# Altium PCB Rear Power Distribution.PcbDoc (part 1 of 3) (continued)
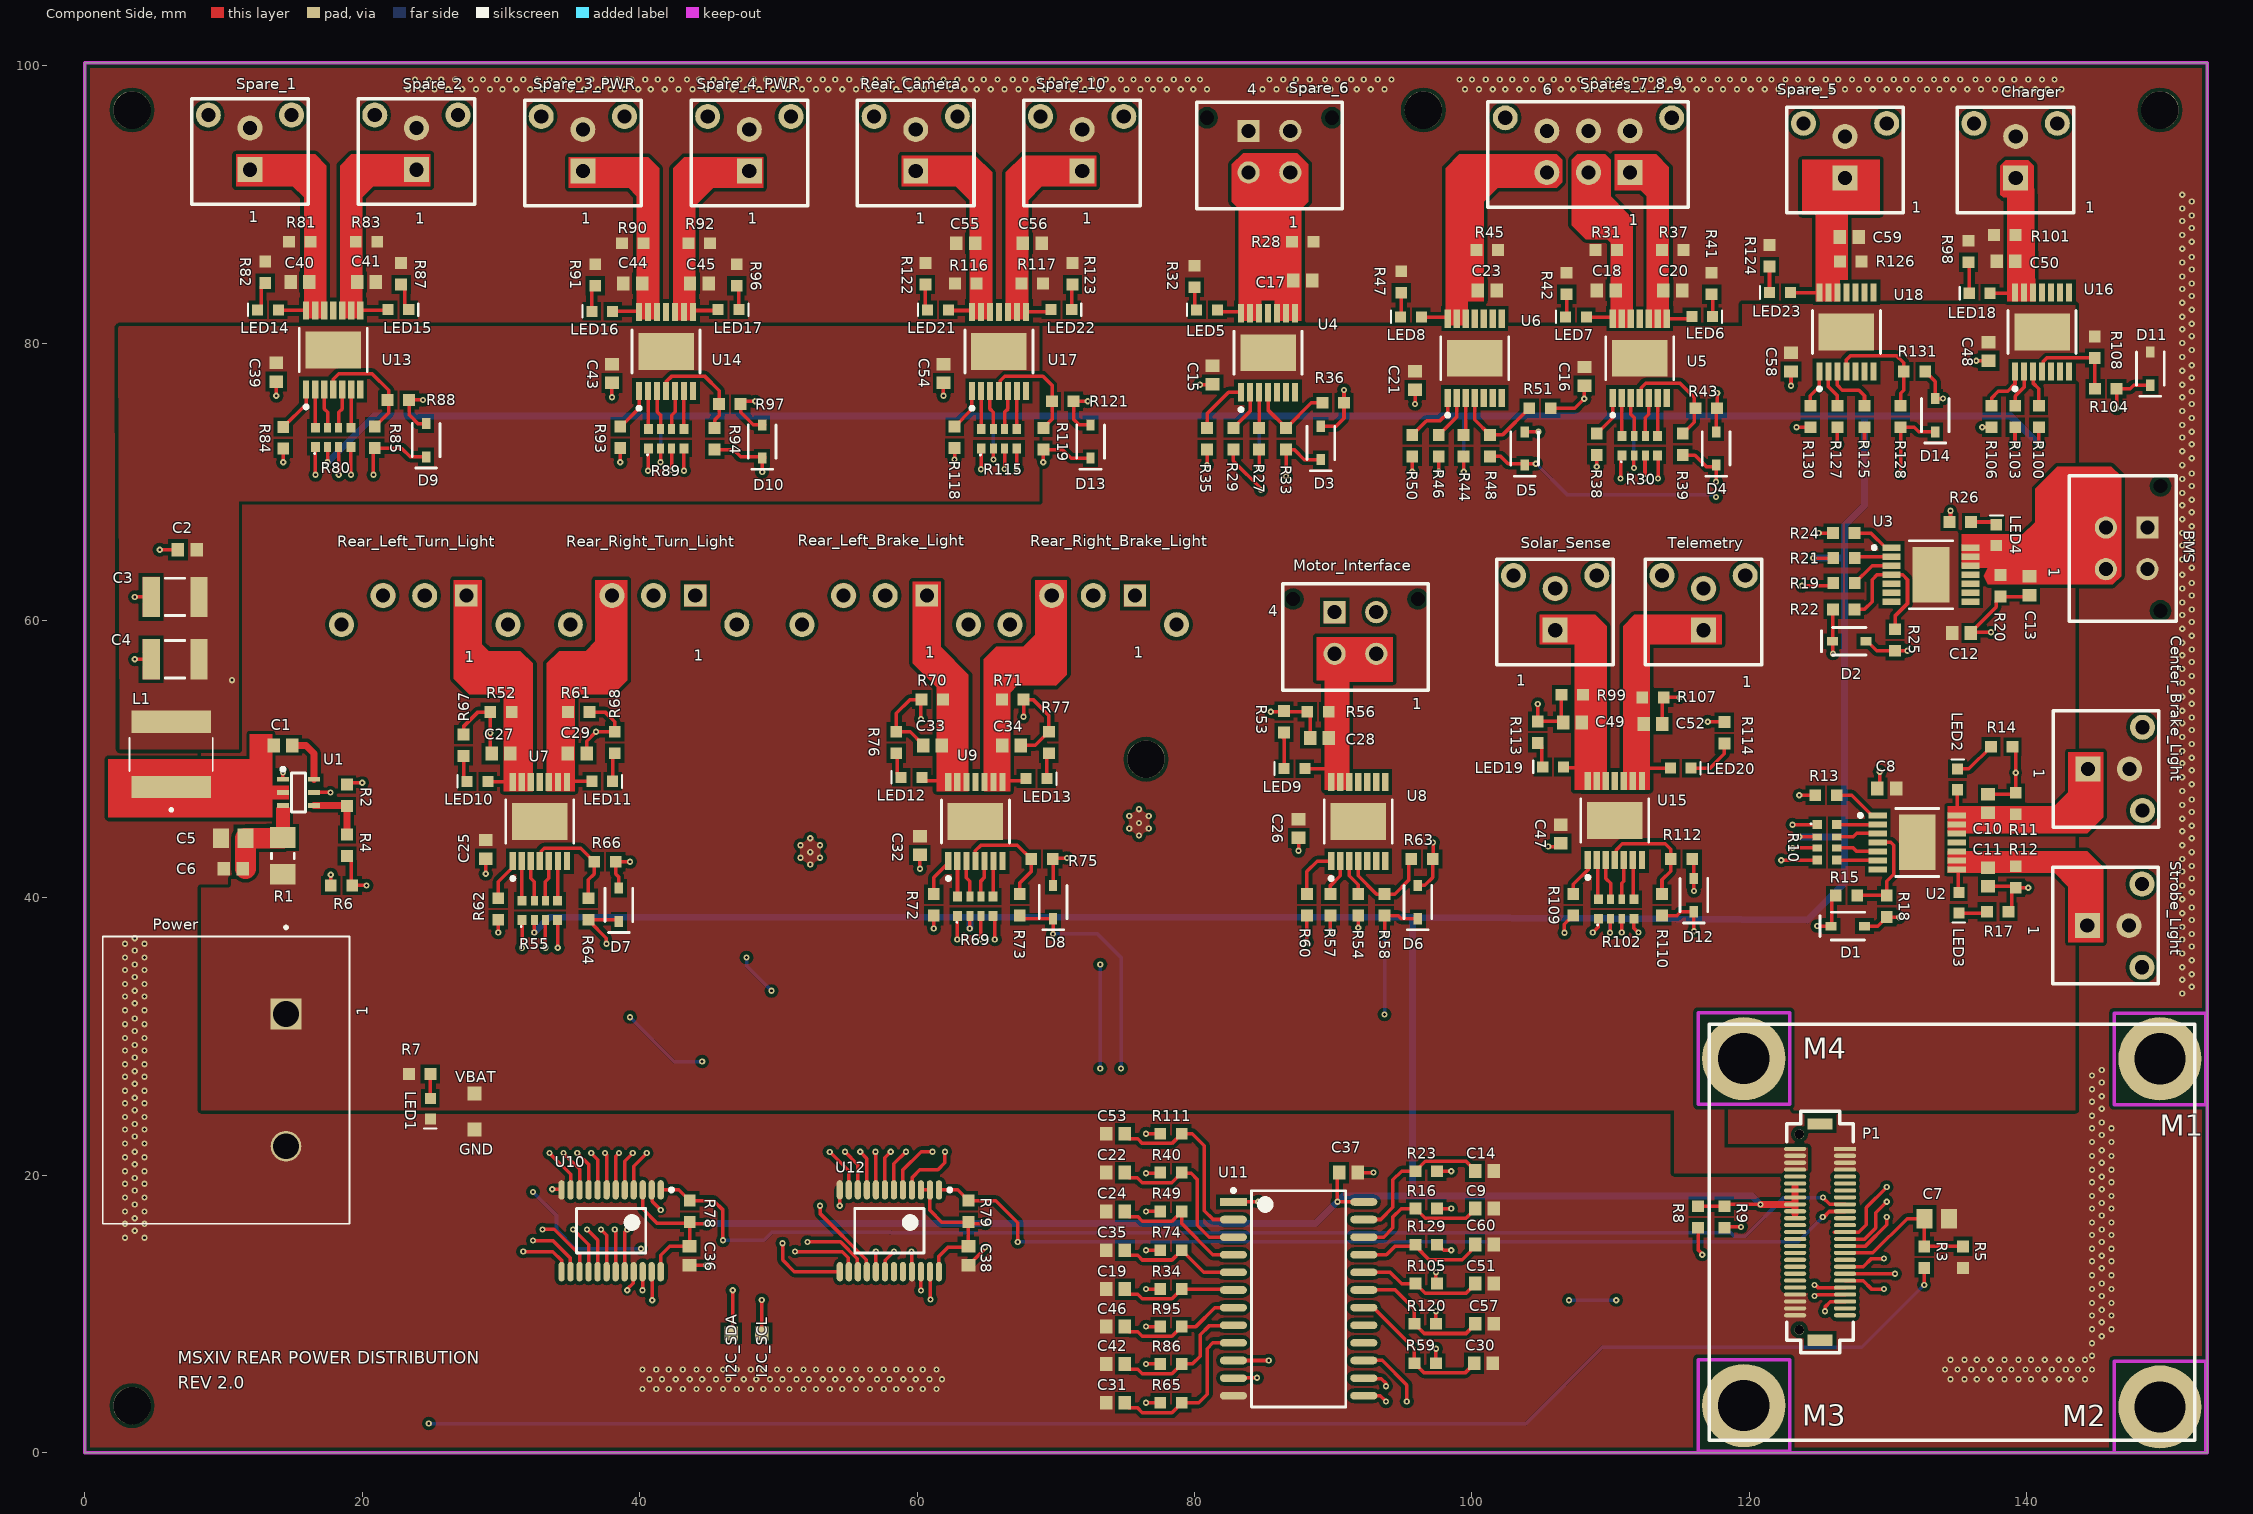
[diagram p0: Component Side view]
## Components (designator, comment, footprint, x,y, rotation, side; value= is the part's Value field where it differs from the comment) (continued)
Rear_Right_Turn_Light "CONN 3POS MICROFIT" "CONN, 3 POS MICROFIT" 41,61.8 r270 top
Solar_Sense "CONN 2POS MICRO-FIT 3mm" "CONN, 2POS MICRO-FIT" 106,59.3 r0 top
Spare_1 "CONN 2POS MICRO-FIT 3mm" "CONN, 2POS MICRO-FIT" 11.9,92.5 r0 top
Spare_2 "CONN 2POS MICRO-FIT 3mm" "CONN, 2POS MICRO-FIT" 23.9,92.5 r0 top
Spare_3_PWR "CONN 2POS MICRO-FIT 3mm" "CONN, 2POS MICRO-FIT" 35.9,92.4 r0 top
Spare_4_PWR "CONN 2POS MICRO-FIT 3mm" "CONN, 2POS MICRO-FIT" 47.9,92.4 r0 top
Spare_5 "CONN 2POS MICRO-FIT 3mm" "CONN, 2POS MICRO-FIT" 126.9,91.9 r0 top
Spare_6 "CONN 4POS MICRO-FIT 3mm" "CONN 4POS MICROFIT (2x2)" 86.9,92.3 r0 top
Spare_10 "CONN 2POS MICRO-FIT 3mm" "CONN, 2POS MICRO-FIT" 71.9,92.4 r0 top
Spares_7_8_9 "CONN 6POS MICRO-FIT 3mm" "CONN, 6POS MICRO-FIT 3MM" 111.4,92.3 r0 top
Strobe_Light "CONN 2POS MICRO-FIT 3mm" "CONN, 2POS MICRO-FIT" 144.36,38 r270 top
Telemetry "CONN 2POS MICRO-FIT 3mm" "CONN, 2POS MICRO-FIT" 116.7,59.3 r0 top
U1 "IC REG BUCK 4.5V TO 17V, 5A, SYNCHRONOUS STE" "IC REG BUCK 4.5V TO 17V, 5A" 15.4,47.6 r0 top
U2 "IC LOAD SWITCH BTS7200-2EPA PG-TSDSO-14_1" "IC LOAD SWITCH PG-TSDSO-14-22" 132.1,44 r0 top
U3 "IC LOAD SWITCH BTS70401EPA PG-TSDSO-14-22" "IC LOAD SWITCH PG-TSDSO-14-22" 133.1,63.3 r0 top
U4 "IC LOAD SWITCH BTS70081EPPXUMA1" "IC LOAD SWITCH PG-TSDSO-14-22" 85.3,79.3 r90 top
U5 "IC LOAD SWITCH BTS7200-2EPA PG-TSDSO-14_1" "IC LOAD SWITCH PG-TSDSO-14-22" 112.1,78.9 r90 top
U6 "IC LOAD SWITCH BTS70401EPA PG-TSDSO-14-22" "IC LOAD SWITCH PG-TSDSO-14-22" 100.2,78.9 r90 top
U7 "IC LOAD SWITCH BTS7200-2EPA PG-TSDSO-14_1" "IC LOAD SWITCH PG-TSDSO-14-22" 32.8,45.5 r90 top
U8 "IC LOAD SWITCH BTS70401EPA PG-TSDSO-14-22" "IC LOAD SWITCH PG-TSDSO-14-22" 91.8,45.5 r90 top
U9 "IC LOAD SWITCH BTS7200-2EPA PG-TSDSO-14_1" "IC LOAD SWITCH PG-TSDSO-14-22" 64.2,45.5 r90 top
U10 "16-BIT I2C-BUS AND SMBUS LOW POW" SOP127P600-8N 37.941,16 r270 top
U11 "IC MUX/DEMUX 1X16 24SSOP" SOP127P1030X265-24N 87.5,11.096 r0 top
U12 "16-BIT I2C-BUS AND SMBUS LOW POW" SOP127P600-8N 58,16 r270 top
U13 "IC LOAD SWITCH BTS7200-2EPA PG-TSDSO-14_1" "IC LOAD SWITCH PG-TSDSO-14-22" 17.9,79.5 r90 top
U14 "IC LOAD SWITCH BTS7200-2EPA PG-TSDSO-14_1" "IC LOAD SWITCH PG-TSDSO-14-22" 41.9,79.4 r90 top
U15 "IC LOAD SWITCH BTS7200-2EPA PG-TSDSO-14_1" "IC LOAD SWITCH PG-TSDSO-14-22" 110.3,45.579 r90 top
U16 "IC LOAD SWITCH BTS70401EPA PG-TSDSO-14-22" "IC LOAD SWITCH PG-TSDSO-14-22" 141.1,80.8 r90 top
U17 "IC LOAD SWITCH BTS7200-2EPA PG-TSDSO-14_1" "IC LOAD SWITCH PG-TSDSO-14-22" 65.9,79.4 r90 top
U18 "IC LOAD SWITCH BTS70401EPA PG-TSDSO-14-22" "IC LOAD SWITCH PG-TSDSO-14-22" 127,80.8 r90 top
VBAT "Test Point" "Test Point"#1 28.1,25.9 r90 top

## Footprints (in the part's own frame and the unit in brackets; to place one, negate y for a bottom-side part, rotate by r counter-clockwise, add the part's x,y. Pads: shape width x height; smd on the part's side, far side on the other; paste and mask are expansions set on the pad)
6PCV-02-006 [mm]
  rect 2.204x2.204 hole 1.854: 1(0,0)
  round 2.204 hole 1.854: 2(9.53,0)
  silkscreen extent -6.34,-13.21 15.12,4.57
"CAP, 0603" [mm] "Chip Capacitor, 2-Leads, Body 1.60x0.81mm, IPC Medium Density"
  rect 0.9x1 smd mask+0.076: 1(-0.675,0) 2(0.675,0)
  body extent -0.87,-0.48 0.87,0.48, height 0.9
"CAP, 0805" [mm] "Chip Capacitor, 2-Leads, Body 2.00x1.25mm, IPC Medium Density"
  rect 1.15x1.4 smd: 1(-0.875,0) 2(0.875,0)
  body extent -1,-0.63 1,0.63, height 1.25
"CAP, 1210" [mm] "Chip Capacitor, 2-Leads, Body 3.20x2.50mm, IPC Low Density"
  rect 1.25x2.9 smd: 1(-1.725,0) 2(1.725,0)
  silkscreen extent -0.7,-1.35 0.7,1.35, body extent -1.8,-1.4 1.8,1.4, height 2.8
"CONN 4POS MICROFIT (2x2)" [mm]
  round 1.6 hole 1.02: 1(0,0) 2(-3,0) 3(0,3)
  rect 1.6x1.6 hole 1.02: 4(-3,3)
  round 0 hole 1.02: ""(-6,3.94) ""(3,3.94)
  silkscreen extent -6.75,-2.63 3.75,5.06, body extent -6.57,-2.47 3.57,6.29, height 9.91
"CONN, 2POS MICRO-FIT" [mm]
  round 1.8 hole 1.02: 0(-3,3.94) 0(3,3.94) 2(0,3)
  rect 1.8x1.8 hole 1.02: 1(0,0)
  silkscreen extent -4.2,-2.5 4.2,5.1, body extent -3.57,-2.47 3.58,6.3, height 9.95
"CONN, 3 POS MICROFIT" [mm]
  rect 1.6x1.6 hole 1.02: 1(0,3)
  round 1.8 hole 1.02: 2(0,0) 3(0,-3) ""(2.1,6) ""(2.1,-6)
  body extent -3.14,-6.32 2.47,6.33, height 9.95
"CONN, 6POS MICRO-FIT 3MM" [mm]
  round 1.8 hole 1.02: 0(-9,3.94) 0(3,3.94) 2(-3,0) 3(-6,0) 4(0,3) 5(-3,3) 6(-6,3)
  rect 1.8x1.8 hole 1.02: 1(0,0)
  silkscreen extent -10.25,-2.5 4.2,5.1, body extent -9.57,-2.47 3.58,6.3, height 10.15
"CONN, Bergstak 50 Pos Plug" [mm] "Bergstak 50 Position Plug"
  rect 1.6x0.3 smd: 1(1.8,6)
  oval 1.6x0.3 smd: 2(1.8,5.5) 3(1.8,5) 4(1.8,4.5) 5(1.8,4) 6(1.8,3.5) 7(1.8,3) 8(1.8,2.5) 9(1.8,2) 10(1.8,1.5) 11(1.8,1) 12(1.8,0.5) 13(1.8,0) 14(1.8,-0.5) 15(1.8,-1) 16(1.8,-1.5) 17(1.8,-2) 18(1.8,-2.5) 19(1.8,-3) 20(1.8,-3.5) 21(1.8,-4) 22(1.8,-4.5) 23(1.8,-5) 24(1.8,-5.5) 25(1.8,-6) 26(-1.8,-6) 27(-1.8,-5.5) 28(-1.8,-5) 29(-1.8,-4.5) 30(-1.8,-4) 31(-1.8,-3.5) 32(-1.8,-3) 33(-1.8,-2.5) 34(-1.8,-2) 35(-1.8,-1.5) 36(-1.8,-1) 37(-1.8,-0.5) 38(-1.8,0) 39(-1.8,0.5) 40(-1.8,1) 41(-1.8,1.5) 42(-1.8,2) 43(-1.8,2.5) 44(-1.8,3) 45(-1.8,3.5) 46(-1.8,4) 47(-1.8,4.5) 48(-1.8,5) 49(-1.8,5.5) 50(-1.8,6)
  round 0.7 hole 0.7: ""(-1.5,-7.05) ""(-1.5,7.05)
  rect 1.8x0.8 smd: ""(0,-7.8) ""(0,7.8)
  silkscreen extent -2.4,-8.7 2.4,8.7, body extent -2.3,-7.75 2.3,7.75, height 4.2
"IC LOAD SWITCH PG-TSDSO-14-22" [mm] "SOP,0.65mm pitch;14 pin,3.90mm W X 4.90mm L X 1.15mm H body (w/thermal tab)"
  rect 1.31x0.45 smd paste+0 mask+0: 1(-2.85,1.95) 2(-2.85,1.3) 3(-2.85,0.65) 4(-2.85,0) 5(-2.85,-0.65) 6(-2.85,-1.3) 7(-2.85,-1.95) 8(2.85,-1.95) 9(2.85,-1.3) 10(2.85,-0.65) 11(2.85,0) 12(2.85,0.65) 13(2.85,1.3) 14(2.85,1.95)
  rect 2.65x4 smd paste-2.65 mask+0: 15(0,0)
  silkscreen extent -4.22,-2.45 1.55,2.45, body extent -3,-2.45 3,2.45, height 1.16
"IC REG BUCK 4.5V TO 17V, 5A" [mm] "Buck Switching Regulator IC Positive Adjustable 0.6V 1 Output 5A SOT-23-6 Thin, TSOT-23-6"
  rect 0.85x0.35 smd: 1(-1.125,0.95) 2(-1.125,0) 3(-1.125,-0.95) 4(1.125,-0.95) 5(1.125,0) 6(1.125,0.95)
  silkscreen extent -1.25,-1.4 0.5,1.8, body extent -1.53,-1.38 1.53,1.38, height 1.1
IND_1264EY-3R3N=P3 [mm]
  rect 1.6x5.7 smd: 1(-2.35,0) 2(2.35,0)
  silkscreen extent -4.1,-3 1.2,3
LED_0603 [mm]
  rect 0.8x0.8 smd: 1(-0.05,0.01) 2(1.45,0.01)
  silkscreen extent 2.13,-0.46 2.13,0.45, body extent -0.09,-0.39 1.51,0.41, height 0.8
"M2.5 Standoff" [mm]
  round 6 smd: ""(0,0)
  round 0 hole 3.7: ""(0,0)
  Keep-Out Layer lines w0.254: -3.3,-3.3 -3.3,3.3 3.3,3.3 3.3,-3.3 -3.3,-3.3
"RES 1206" [mm] "Chip Resistor, 2-Leads, Body 3.20x1.60mm, IPC Medium Density"
  rect 1.5x1.85 smd: 1(-1.325,0) 2(1.325,0)
  silkscreen extent -0.2,-0.82 0.2,0.82, body extent -1.73,-0.92 1.73,0.92, height 0.64
"RES ARRAY 4RES 1206" [mm] "Chip Array, Flat, 8-Leads, Pitch 0.80mm,  Body 3.20x1.60mm,  IPC Medium Density"
  rect 0.7x0.64 smd: 1(-0.7,1.28) 4(-0.7,-1.28) 5(0.7,-1.28) 8(0.7,1.28)
  rect 0.7x0.5 smd: 2(-0.7,0.4) 3(-0.7,-0.4) 6(0.7,-0.4) 7(0.7,0.4)
  silkscreen extent -1.21,1.29 -1.11,1.39, body extent -0.81,-1.6 0.69,1.6, height 0.45
"RES, 0603" [mm] "Chip Resistor, 2-Leads, Body 1.60x0.80mm, IPC Medium Density"
  rect 0.85x0.85 smd: 1(-0.775,0) 2(0.775,0)
  body extent -0.8,-0.4 0.8,0.4, height 0.55
sod-323 [mm]
  rect 0.8x0.6 smd: 1(-1.2,0) 2(1.2,0)
  silkscreen extent -1.2,-1 2,1
SOP127P600-8N [mm]
  oval 1.4x0.45 smd: 1(-2.95,3.575) 2(-2.95,2.925) 3(-2.95,2.275) 4(-2.95,1.625) 5(-2.95,0.975) 6(-2.95,0.325) 7(-2.95,-0.325) 8(-2.95,-0.975) 9(-2.95,-1.625) 10(-2.95,-2.275) 11(-2.95,-2.925) 12(-2.95,-3.575) 13(2.95,-3.575) 14(2.95,-2.925) 15(2.95,-2.275) 16(2.95,-1.625) 17(2.95,-0.975) 18(2.95,-0.325) 19(2.95,0.325) 20(2.95,0.975) 21(2.95,1.625) 22(2.95,2.275) 23(2.95,2.925) 24(2.95,3.575)
  silkscreen extent -3.07,-2.5 1.6,4.47, body extent -3.2,-3.95 3.2,3.95, height 1.1
SOP127P1030X265-24N [mm] "SOP, 24-Leads, Body 15.40x7.50mm, Pitch 1.27mm, IPC Medium Density"
  rect 1.95x0.55 smd: 1(-4.7,6.985)
  oval 1.95x0.55 smd: 2(-4.7,5.715) 3(-4.7,4.445) 4(-4.7,3.175) 5(-4.7,1.905) 6(-4.7,0.635) 7(-4.7,-0.635) 8(-4.7,-1.905) 9(-4.7,-3.175) 10(-4.7,-4.445) 11(-4.7,-5.715) 12(-4.7,-6.985) 13(4.7,-6.985) 14(4.7,-5.715) 15(4.7,-4.445) 16(4.7,-3.175) 17(4.7,-1.905) 18(4.7,-0.635) 19(4.7,0.635) 20(4.7,1.905) 21(4.7,3.175) 22(4.7,4.445) 23(4.7,5.715) 24(4.7,6.985)
  silkscreen extent -4.82,-7.8 3.4,7.93, body extent -5.15,-7.8 5.15,7.8, height 2.65
"Test Point"#1 [mm]
  rect 1x1 smd paste-2: TP(0,0)
"Test Point"#2 [mm]
  rect 1x1 smd paste-2: TP(0,0.034)

## Part data
BMS Motor_Interface Spare_6: "Micro-Fit 3.0 Vertical Header, 3.00mm Pitch, Dual Row, 4 Circuits, with PCB Polarizing Peg, Tin, Glow-Wire Capable, Black", Color=Black, Contact Resistance=10mR, Current Rating=-, Manufacturer="Molex, LLC", Manufacturer Part Number=430450427, Material Flammability Rating="UL94 V-0", Max Operating Temperature=105°C, Min Operating Temperature=-40°C, Package Quantity=2232, Supplier Part Number 1=WM10667-ND, Applications="General Purpose, Medical, Military, Telecommunications", Category="Connectors, Interconnects", ComponentLink4Description=http://www.molex.com/webdocs/datasheets/pdf/en-us/0430450427_PCB_HEADERS.pdf, ComponentLink4URL=http://www.molex.com/webdocs/datasheets/pdf/en-us/0430450427_PCB_HEADERS.pdf, Connector Type=Header, Contact Finish - Mating=Tin, Contact Finish - Post=Tin, Contact Finish Thickness - Mating="60.0μin (1.52μm)", Contact Finish Thickness - Post=-, Contact Length - Mating=-, Contact Length - Post="0.125\" (3.18mm)", Contact Material=Brass, Contact Plating=Tin, Contact Shape=Square, Contact Type="Male Pin", Depth=8.77mm, Fastening Type="Locking Ramp", Features="Board Guide", Housing Color=Black, Housing Material=Polymer, Ingress Protection=-, Insulation Color=Black, Insulation Height="0.390\" (9.91mm)", Insulation Material="Liquid Crystal Polymer (LCP), Glass Filled", Length=10.15mm, Mated Stacking Heights=-, Mount="Through Hole", Mounting Type="Through Hole", Number of Contacts=4, Number of Ports=1, Number of Positions=6, Number of Positions Loaded=All, Number of Rows=2, Number of Terminals=4, Operating Temperature=-, Orientation=Straight, Overall Contact Length=-, Packaging=Tray, Part Status=Active, Pitch=3mm, Pitch - Mating="0.118\" (3.00mm)", RoHS="RoHS Compliant", Row Spacing=0.118inch, Row Spacing - Mating="0.118\" (3.00mm)", Shrouding="Shrouded - 4 Wall", Style="Board to Cable/Wire", Supplier 1=Digi-Key, Termination=Solder, Voltage Rating=-
C1 C2 C6 C8 C12 C15 C16 C21 C25 C26 C32 C36 C37 C38 C39 C43 C47 C48 C54 C58: "0.10μF ±10% 50V Ceramic Capacitor X7R 0603 (1608 Metric)", Capacitance=0.1μF, Manufacturer 1="AVX Corporation", Manufacturer Part Number 1=06035C104KAT2A, Operating Temperature="-55°C ~ 125°C", Package / Case="0603 (1608 Metric)", Ratings=-, Supplier Part Number 1=478-5052-1-ND, Temperature Coefficient=X7R, Tolerance=±10%, Voltage=50V, ComponentLink1Description=http://datasheets.avx.com/X7RDielectric.pdf, ComponentLink1URL=http://datasheets.avx.com/X7RDielectric.pdf, Height - Seated (Max)=-, Lead Spacing=-, Lead Style=-, Mounting Type="Surface Mount, MLCC", Packaging="Cut Tape (CT)", Part Status=Active, Size / Dimension="0.063\" L x 0.032\" W (1.60mm x 0.81mm)", Supplier 1=Digi-Key, Thickness (Max)="0.035\" (0.90mm)"
C3 C4: "22μF ±20% 16V Ceramic Capacitor X5R 1210 (3225 Metric)", Capacitance=22μF, Manufacturer 1="Murata Electronics North America", Manufacturer Part Number 1=GRM32ER61C226ME20L, Operating Temperature="-55°C ~ 85°C", Package / Case="1210 (3225 Metric)", Ratings=-, Supplier Part Number 1=490-1881-1-ND, Temperature Coefficient=X5R, Tolerance=±20%, Voltage=16V, ComponentLink1Description=http://www.murata.com/~/media/webrenewal/support/library/catalog/products/capacitor/mlcc/c02e.ashx, ComponentLink1URL=http://www.murata.com/~/media/webrenewal/support/library/catalog/products/capacitor/mlcc/c02e.ashx, Height - Seated (Max)=-, Lead Spacing=-, Lead Style=-, Mounting Type="Surface Mount, MLCC", Packaging="Cut Tape (CT)", Part Status=Active, Size / Dimension="0.126\" L x 0.098\" W (3.20mm x 2.50mm)", Supplier 1=Digi-Key, Thickness (Max)="0.106\" (2.70mm)"
C5: "22μF ±20% 35V Ceramic Capacitor X5R 0805 (2012 Metric)", Capacitance=22uF, Case/Package=0805, Case Code (Metric)=2012, Dielectric=X5R, Dielectric Material=Ceramic, Manufacturer=TDK, Manufacturer Part Number=C2012X5R1V226M125AC, Max Operating Temperature=85°C, Min Operating Temperature=-55°C, Package Quantity=2000, Supplier Part Number 1=445-14428-1-ND, Tolerance=20%, Voltage Rating=35V, Case Code (Imperial)=0805, ComponentLink1Description=https://product.tdk.com/info/en/catalog/spec/mlccspec_commercial_general_midvoltage_en.pdf, ComponentLink1URL=https://product.tdk.com/info/en/catalog/spec/mlccspec_commercial_general_midvoltage_en.pdf, Height=1.25mm, Lead Free="Lead Free", Length=0.079inch, Mount="Surface Mount", Packaging="Tape and Reel", Pricing 1="1 = 1.29000, 10 = 0.98100, 100 = 0.70190, 500 = 0.54338, 1000 = 0.46791 (USD)", REACH SVHC="No SVHC", RoHS=Yes, Stock 1=30, Supplier 1=Digi-Key, Termination=SMD/SMT, Thickness=0.057inch, Voltage Rating (DC)=35V, Weight=0.000194oz, Width=0.049inch
C7: "0.1μF ±10% 100V Ceramic Capacitor X7R 0805 (2012 Metric)", Capacitance=0.1μF, Manufacturer 1="Murata Electronics North America", Manufacturer Part Number 1=GCM21BR72A104KA37L, Operating Temperature="-55°C ~ 125°C", Package / Case="0805 (2012 Metric)", Ratings=AEC-Q200, Supplier Part Number 1=490-4789-1-ND, Temperature Coefficient=X7R, Tolerance=±10%, Voltage=100V, ComponentLink1Description=http://www.murata.com/~/media/webrenewal/support/library/catalog/products/capacitor/mlcc/c03e.ashx, ComponentLink1URL=http://www.murata.com/~/media/webrenewal/support/library/catalog/products/capacitor/mlcc/c03e.ashx, Height - Seated (Max)=-, Lead Spacing=-, Lead Style=-, Mounting Type="Surface Mount, MLCC", Packaging="Cut Tape (CT)", Part Status=Active, Size / Dimension="0.079\" L x 0.049\" W (2.00mm x 1.25mm)", Supplier 1=Digi-Key, Thickness (Max)="0.055\" (1.40mm)"
C9 C14 C19 C22 C24 C30 C31 C35 C42 C46 C51 C53 C57 C60: "220pF ±5% 50V Ceramic Capacitor C0G, NP0 0603 (1608 Metric)", Capacitance=220pF, Case/Package=0603, Case Code (Metric)=1608, Dielectric=C0G, Dielectric Material=Ceramic, Manufacturer=KEMET, Manufacturer Part Number=C0603C221J5GACAUTO, Max Operating Temperature=125°C, Min Operating Temperature=-55°C, Package Quantity=1, Ratings=AEC-Q200, Supplier Part Number 1=399-6868-1-ND, Tolerance=5%, Voltage Rating=50V, Case Code (Imperial)=0603, ComponentLink1Description=https://datasheet.ciiva.com/18192/getdatasheetpartid-416741-18192869.pdf?src-supplier=Verical, ComponentLink1URL=https://datasheet.ciiva.com/18192/getdatasheetpartid-416741-18192869.pdf?src-supplier=Verical, ComponentLink2Description=https://datasheet.ciiva.com/22694/1633156-22694015.pdf?src-supplier=Element14, ComponentLink2URL=https://datasheet.ciiva.com/22694/1633156-22694015.pdf?src-supplier=Element14, Contact Plating=Tin, Depth=0.8mm, Dissipation Factor=0.1%, Height=0.8mm, Lead Free="Lead Free", Length=1.6mm, Mount="Surface Mount", Packaging="Tape and Reel", Pricing 1="1=0.14000, 10=0.09700, 100=0.04550, 500=0.03188, 1000=0.02640 (USD)", Radiation Hardening=No, REACH SVHC="No SVHC", RoHS=Yes, Stock 1=35170, Supplier 1=Digi-Key, Termination=SMD/SMT, Thickness=0.034inch, Voltage Rating (DC)=50V, Width=0.031inch
C10 C11 C13 C17 C18 C20 C23 C27 C28 C29 C33 C34 C40 C41 C44 C45 C49 C50 C52 C55 C56 C59: "10000pF ±5% 50V Ceramic Capacitor U2J 0603 (1608 Metric)", Capacitance=10000pF, Manufacturer 1=KEMET, Manufacturer Part Number 1=C0603C103J5JAC7867, Operating Temperature="-55°C ~ 125°C", Package / Case="0603 (1608 Metric)", Ratings=-, Supplier Part Number 1=399-13384-1-ND, Temperature Coefficient=U2J, Tolerance=±5%, Voltage=50V, ComponentLink1Description=http://www.kemet.com/docfinder?Partnumber=C0603C103J5JAC7867, ComponentLink1URL=http://www.kemet.com/docfinder?Partnumber=C0603C103J5JAC7867, Failure Rate=-, Height - Seated (Max)=-, Lead Spacing=-, Lead Style=-, Mounting Type="Surface Mount, MLCC", Packaging="Cut Tape (CT)", Part Status=Active, Size / Dimension="0.063\" L x 0.032\" W (1.60mm x 0.80mm)", Supplier 1=Digi-Key, Thickness (Max)="0.034\" (0.87mm)"
Center_Brake_Light Charger Rear_Camera Solar_Sense Spare_1 Spare_2 Spare_3_PWR Spare_4_PWR Spare_5 Spare_10 Strobe_Light Telemetry: "Connector Header Through Hole 2 position", Contact Resistance=10mR, Current Rating=5A, Housing Colour=Black, Manufacturer=Molex, Manufacturer Part Number=43045-0227, Max Operating Temperature=105°C, Max Voltage Rating (DC)=250.25kV, Min Operating Temperature=-40°C, Package Quantity=3168, Supplier Part Number 1=WM10657-ND, Voltage Rating=600V, ComponentLink1Description=http://www.onlinecomponents.com/productFiles/mf-MOL/307170430450227_pcb_headers.pdf, ComponentLink1URL=http://www.onlinecomponents.com/productFiles/mf-MOL/307170430450227_pcb_headers.pdf, ComponentLink2Description=http://www.mouser.com/ds/2/276/0430450227_PCB_HEADERS-142611.pdf, ComponentLink2URL=http://www.mouser.com/ds/2/276/0430450227_PCB_HEADERS-142611.pdf, ComponentLink3Description=http://uk.rs-online.com/webdocs/13c3/0900766b813c3a46.pdf, ComponentLink3URL=http://uk.rs-online.com/webdocs/13c3/0900766b813c3a46.pdf, ComponentLink4Description=http://www.molex.com/webdocs/datasheets/pdf/en-us/0430450227_PCB_HEADERS.pdf, ComponentLink4URL=http://www.molex.com/webdocs/datasheets/pdf/en-us/0430450227_PCB_HEADERS.pdf, Contact Material=Brass, Contact Plating=Tin, Depth=8.77mm, Gender=Male, Glow Wire Compliant=Compliant, Halogen Free="Low Halogen", Housing Material=Thermoplastic, Length=7.15mm, Mount="Through Hole", Number of Circuits=2, Number of Contacts=2, Number of Ports=1, Number of Positions=2, Number of Rows=2, Number of Terminals=2, Orientation=Vertical, Packaging=Tray, Pitch=3mm, Pricing 1="1=0.84, 10=0.74, 25=0.6968, 50=0.6676, 100=0.6387, 250=0.5806, 500=0.52254, 1000=0.46448, 2500=0.42094 (USD)", Radiation Hardening=No, Row Spacing=3mm, Stock 1=3657, Supplier 1=Digi-Key, Termination=Solder
D1 D2 D3 D4 D5 D6 D7 D8 D9 D10 D11 D12 D13 D14: "Zener Diode 3.3V 200mW ±5% Surface Mount SOD-323", Supplier Part Number 1=BZX384C3V3-E3-08GICT-ND, Voltage=3.3V, ComponentLink1Description=http://www.vishay.com/docs/85764/bzx384.pdf, ComponentLink1URL=http://www.vishay.com/docs/85764/bzx384.pdf, Supplier 1=Digi-Key
L1: "3.3μH Shielded Wirewound Inductor 6.5A 25.2mOhm Max Nonstandard", Current Rating (Amps)=6.5A, DC Resistance (DCR)="25.2mOhm Max", Inductance=3.3μH, Inductance Frequency - Test=100kHz, Supplier Part Number 1=490-10821-1-ND, Tolerance=±30%, ComponentLink1Description=https://search.murata.co.jp/Ceramy/image/img/P02/J(E)TE243B-0044_DG6050C_reference.pdf, ComponentLink1URL=https://search.murata.co.jp/Ceramy/image/img/P02/J(E)TE243B-0044_DG6050C_reference.pdf, Material - Core=Ferrite, Shielding=Shielded, Supplier 1=Digi-Key, Type=Wirewound
LED1: "Green 572nm LED Indication - Discrete 2V 0603 (1608 Metric)", Color=Green, Current - Test=20mA, Lens Color=Colorless, Manufacturer="Wurth Electronics Inc.", Manufacturer Part Number=150060VS75000, Millicandela Rating=40mcd, Package / Case="0603 (1608 Metric)", Supplier Device Package=0603, Supplier Part Number 1=732-4980-1-ND, Voltage - Forward (Vf) (Typ)=2V, Category=Optoelectronics, ComponentLink1Description=http://katalog.we-online.de/led/datasheet/150060VS75000.pdf, ComponentLink1URL=http://katalog.we-online.de/led/datasheet/150060VS75000.pdf, Features=-, Height (Max)=0.80mm, Lens Style/Size="Rectangle with Flat Top, 1.10mm x 0.70mm", Lens Transparency=Clear, Mounting Type="Surface Mount", Packaging="Cut Tape (CT)", Part Status=Active, Pricing 1="1=0.21, 100=0.1617, 500=0.13964 (CAD)", RoHS="RoHS Compliant", Size / Dimension="1.60mm L x 0.80mm W", Stock 1=9408, Supplier 1=Digi-Key, Viewing Angle=140°, Wavelength - Dominant=570nm, Wavelength - Peak=572nm
LED2 LED3 LED4 LED5 LED6 LED7 LED8 LED9 LED10 LED11 LED12 LED13 LED14 LED15 LED16 LED17 LED18 LED19 LED20 LED21 LED22 LED23: "Yellow 590nm LED Indication - Discrete 2V 0603 (1608 Metric)", Color=Yellow, Current - Test=20mA, Lens Color=Colorless, Manufacturer="Wurth Electronics Inc.", Manufacturer Part Number=150060YS75000, Millicandela Rating=120mcd, Package / Case="0603 (1608 Metric)", Supplier Device Package=0603, Supplier Part Number 1=732-4981-1-ND, Voltage - Forward (Vf) (Typ)=2V, Category=Optoelectronics, ComponentLink1Description=http://katalog.we-online.de/led/datasheet/150060YS75000.pdf, ComponentLink1URL=http://katalog.we-online.de/led/datasheet/150060YS75000.pdf, Features=-, Height (Max)=0.80mm, Lens Style/Size="Rectangle with Flat Top, 1.10mm x 0.70mm", Lens Transparency=Clear, Mounting Type="Surface Mount", Packaging="Cut Tape (CT)", Part Status=Active, Pricing 1="1=0.21, 100=0.1617, 500=0.13964 (CAD)", RoHS="RoHS Compliant", Size / Dimension="1.60mm L x 0.80mm W", Stock 1=10523, Supplier 1=Digi-Key, Viewing Angle=140°, Wavelength - Dominant=590nm, Wavelength - Peak=595nm
M1 M2 M3 M4: Manufacturer="Wurth Electronics", Manufacturer Part Number=9774050151R, Supplier Part Number 1=732-7095-1-ND, Length=0.252inch, Material=Steel, Outside Diameter=0.201inch, Plating=Tin, Pricing 1="1 = 1.09000, 10 = 1.03000, 50 = 0.91800, 100 = 0.84000 (USD)", REACH SVHC=Unknown, RoHS=Yes, Stock 1=24846, Supplier 1=Digi-Key, Threaded/Unthreaded=Threaded
P1: "50 Position Connector Plug, Outer Shroud Contacts Surface Mount Gold", Manufacturer 1="Amphenol FCI", Manufacturer Part Number 1=10132797-055100LF, Supplier Part Number 1=609-5226-1-ND, ComponentLink1Description=http://portal.fciconnect.com/Comergent//fci/drawing/10132797.pdf, ComponentLink1URL=http://portal.fciconnect.com/Comergent//fci/drawing/10132797.pdf, Connector Type="Plug, Outer Shroud Contacts", Contact Finish=Gold, Contact Finish Thickness="1μin (0.025μm)", Height Above Board="0.169\" (4.30mm)", Mated Stacking Heights=5mm, Mounting Type="Surface Mount", Number of Positions=50, Number of Rows=2, Packaging="Cut Tape (CT)", Part Status=Active, Pitch="0.020\" (0.50mm)", Series="BergStak Plug", Supplier 1=Digi-Key
Power: "2 Circuit 0.375\" (9.53mm) Barrier Block Connector, Screws", Supplier Part Number 1=A98481-ND, ComponentLink1Description=https://www.te.com/commerce/DocumentDelivery/DDEController?Action=srchrtrv&DocNm=3-1437652-9&DocType=Customer+Drawing&DocLang=English, ComponentLink1URL=https://www.te.com/commerce/DocumentDelivery/DDEController?Action=srchrtrv&DocNm=3-1437652-9&DocType=Customer+Drawing&DocLang=English, Supplier 1=Digi-Key
R1: "6 mOhms ±1% 1W Chip Resistor 1206 (3216 Metric) Automotive AEC-Q200, Current Sense Thick Film", Operating Temperature="-55°C ~ 155°C", Power (Watts)=1W, Ratings=AEC-Q200, Resistance="6 mOhms", Supplier Device Package=1206, Supplier Part Number 1=RHM.006ALCT-ND, Tolerance=±1%, ComponentLink1Description=https://d1d2qsbl8m0m72.cloudfront.net/en/products/databook/datasheet/passive/resistor/chip_resistor/pmr-e.pdf, ComponentLink1URL=https://d1d2qsbl8m0m72.cloudfront.net/en/products/databook/datasheet/passive/resistor/chip_resistor/pmr-e.pdf, Composition="Thick Film", Packaging="Cut Tape (CT)", Series=PMR, Supplier 1=Digi-Key
R2: "54.9k Ohm ±1% 0.1W, 1/10W Chip Resistor 0603 (1608 Metric) Automotive AEC-Q200 Thick Film", Manufacturer="Panasonic Electronic Components", Manufacturer Part Number=ERJ-3EKF5492V, Operating Temperature="-55°C ~ 155°C", Package / Case="0603 (1608 Metric)", Power (Watts)=1/10W, Resistance (Ohms)=54.9k, Supplier Device Package=0603, Supplier Part Number 1=P54.9KHCT-ND, Temperature Coefficient=±100ppm/°C, Tolerance=±1%, Category=Resistors, ComponentLink1Description=https://industrial.panasonic.com/cdbs/www-data/pdf/RDA0000/AOA0000C298.pdf, ComponentLink1URL=https://industrial.panasonic.com/cdbs/www-data/pdf/RDA0000/AOA0000C298.pdf, Composition="Thick Film", Failure Rate=-, Features="Automotive AEC-Q200", Height - Seated (Max)="0.022\" (0.55mm)", Packaging="Cut Tape (CT)", Part Status=Active, Pricing 1="1=0.16, 10=0.031, 100=0.0127, 1000=0.00567, 2500=0.00492 (CAD)", RoHS="RoHS Compliant", Size / Dimension="0.063\" L x 0.031\" W (1.60mm x 0.80mm)", Stock 1=74038, Supplier 1=Digi-Key
R3: "RES SMD 100K OHM 5% 1/10W 0603", Manufacturer 1=Yageo, Manufacturer Part Number 1=RC0603JR-07100KL, Operating Temperature="-55°C ~ 155°C", Package / Case="0603 (1608 Metric)", Power=1/10W, Resistance=100k, Supplier Device Package=0603, Supplier Part Number 1=311-100KGRCT-ND, Temperature Coefficient=±100ppm/°C, Tolerance=±5%, ComponentLink1Description=http://www.yageo.com/documents/recent/PYu-RC_Group_51_RoHS_L_7.pdf, ComponentLink1URL=http://www.yageo.com/documents/recent/PYu-RC_Group_51_RoHS_L_7.pdf, Composition="Thick Film", Failure Rate=-, Height - Seated (Max)="0.022\" (0.55mm)", Packaging="Cut Tape (CT)", Part Status=Active, Size / Dimension="0.063\" L x 0.031\" W (1.60mm x 0.80mm)", Supplier 1=Digi-Key